# KiCad board dya-panelized.kicad_pcb
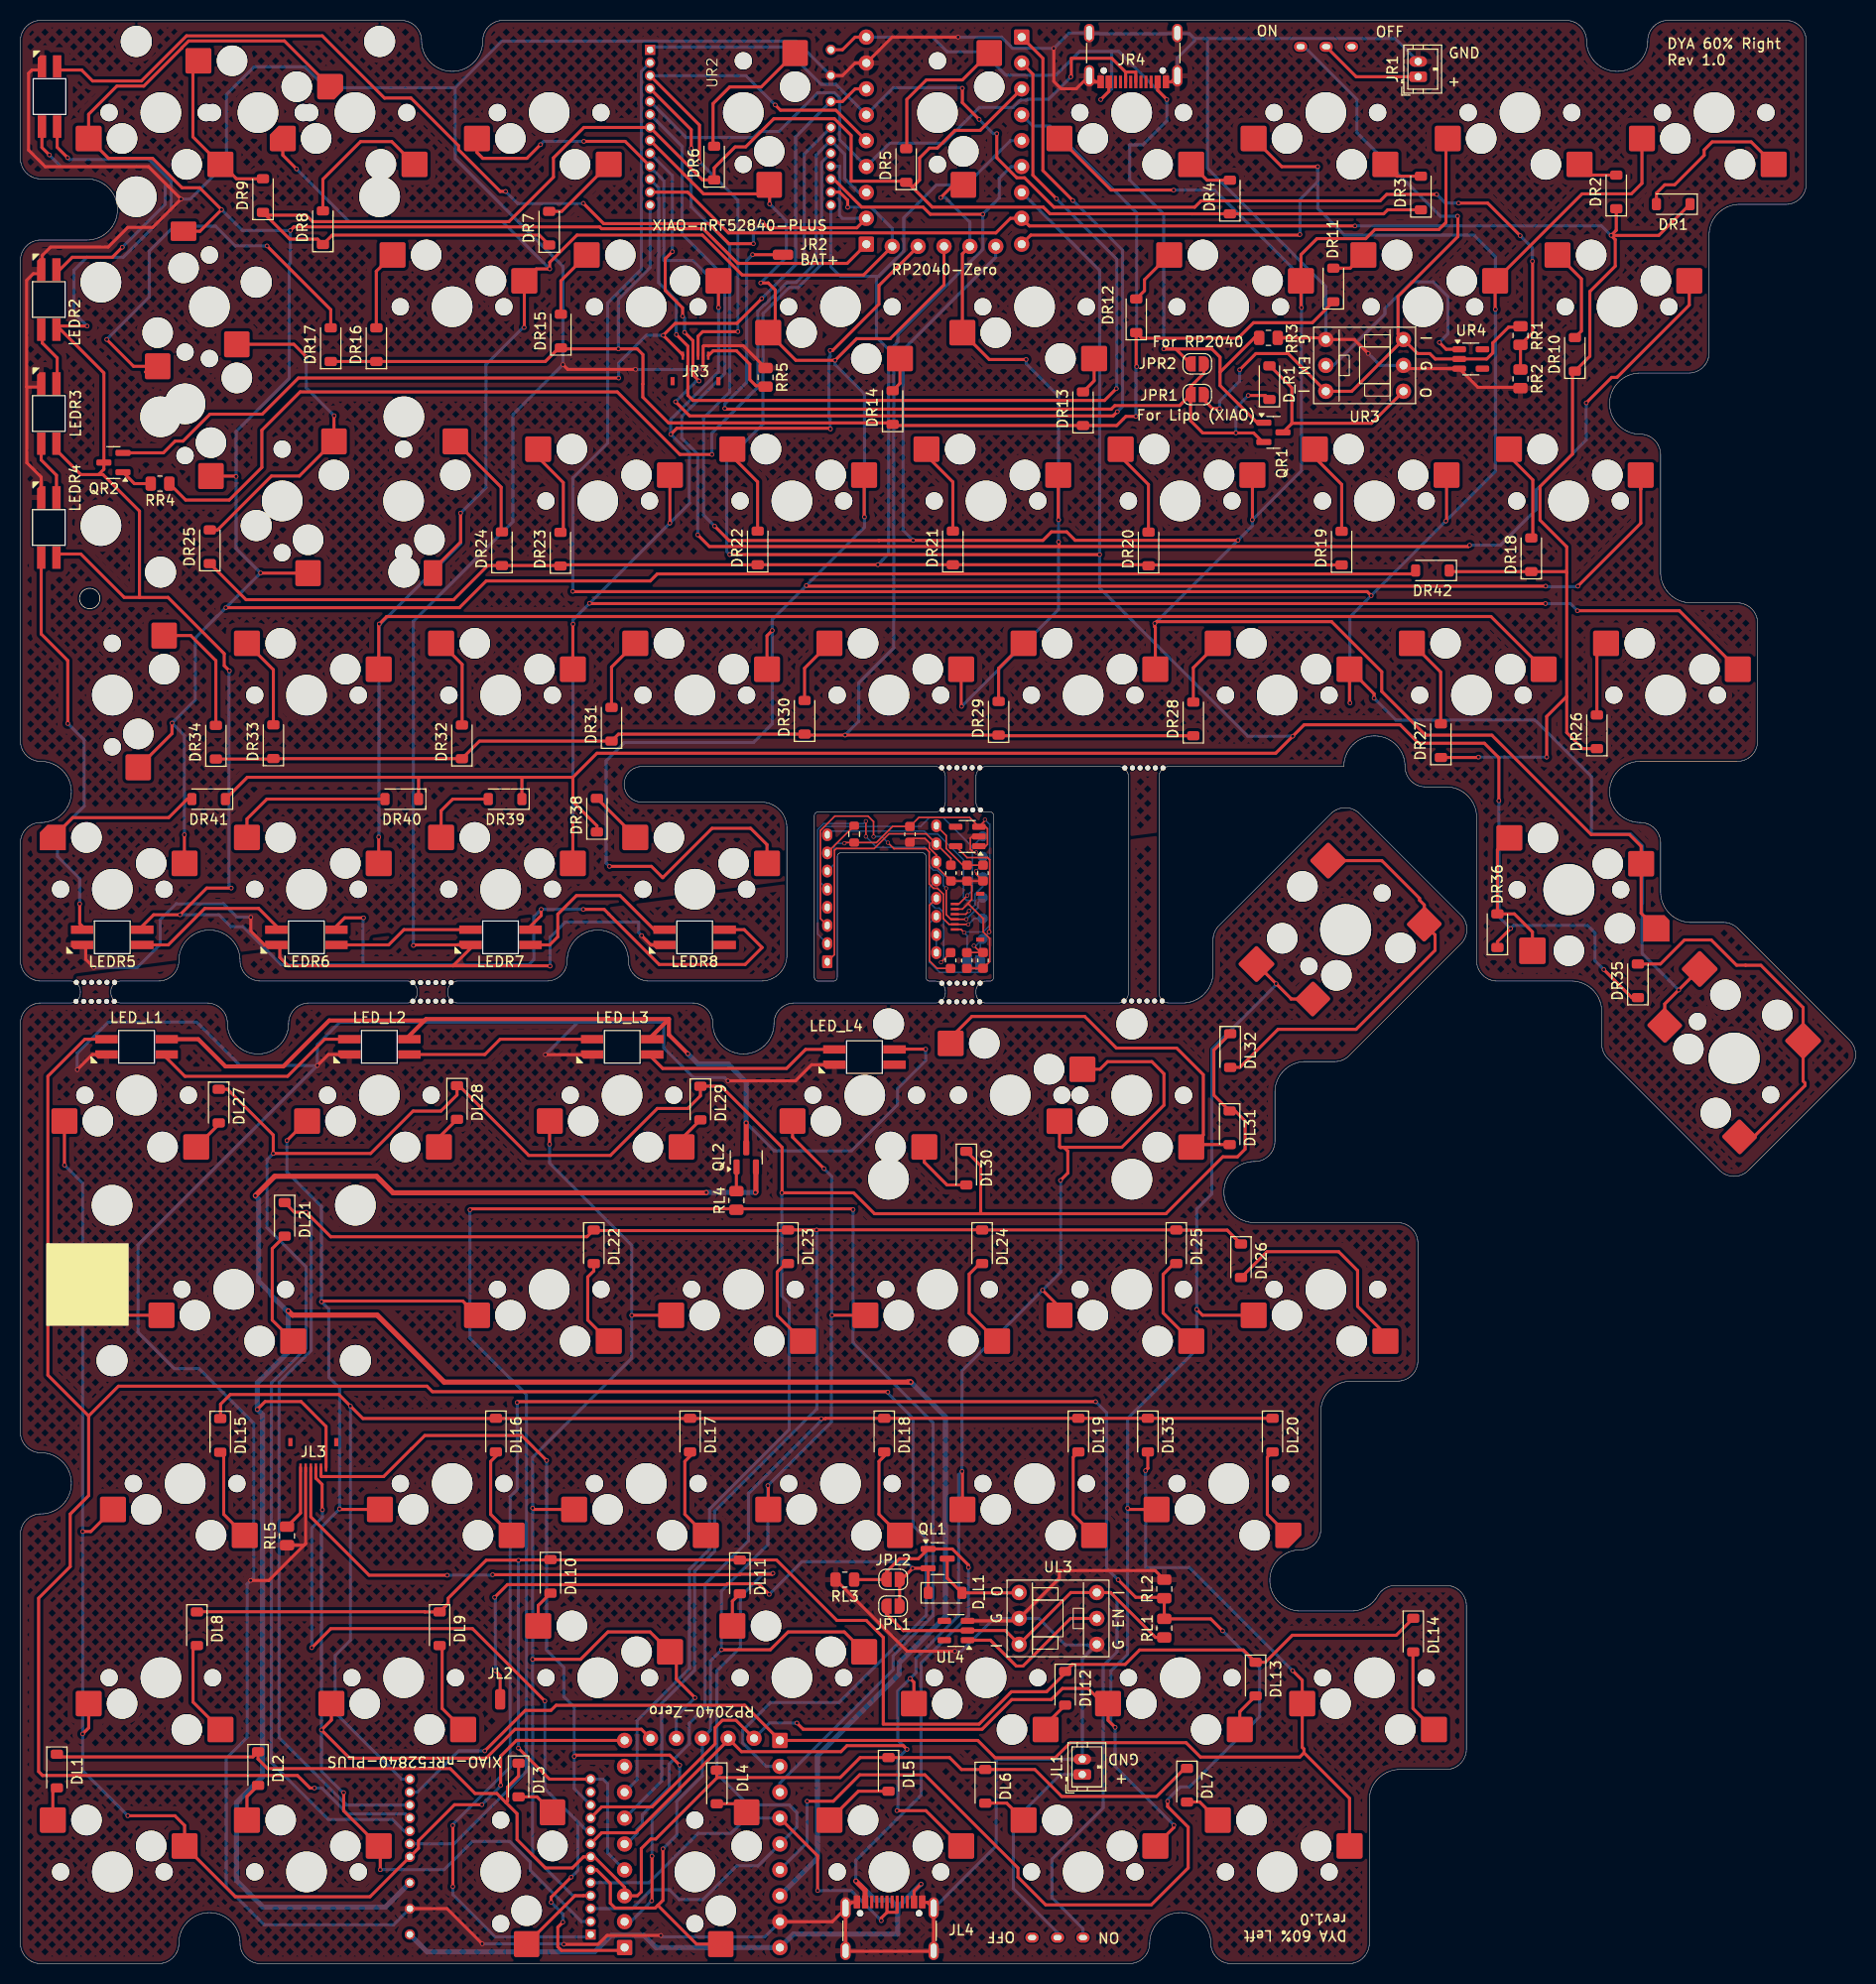
[diagram p0: board, top side]
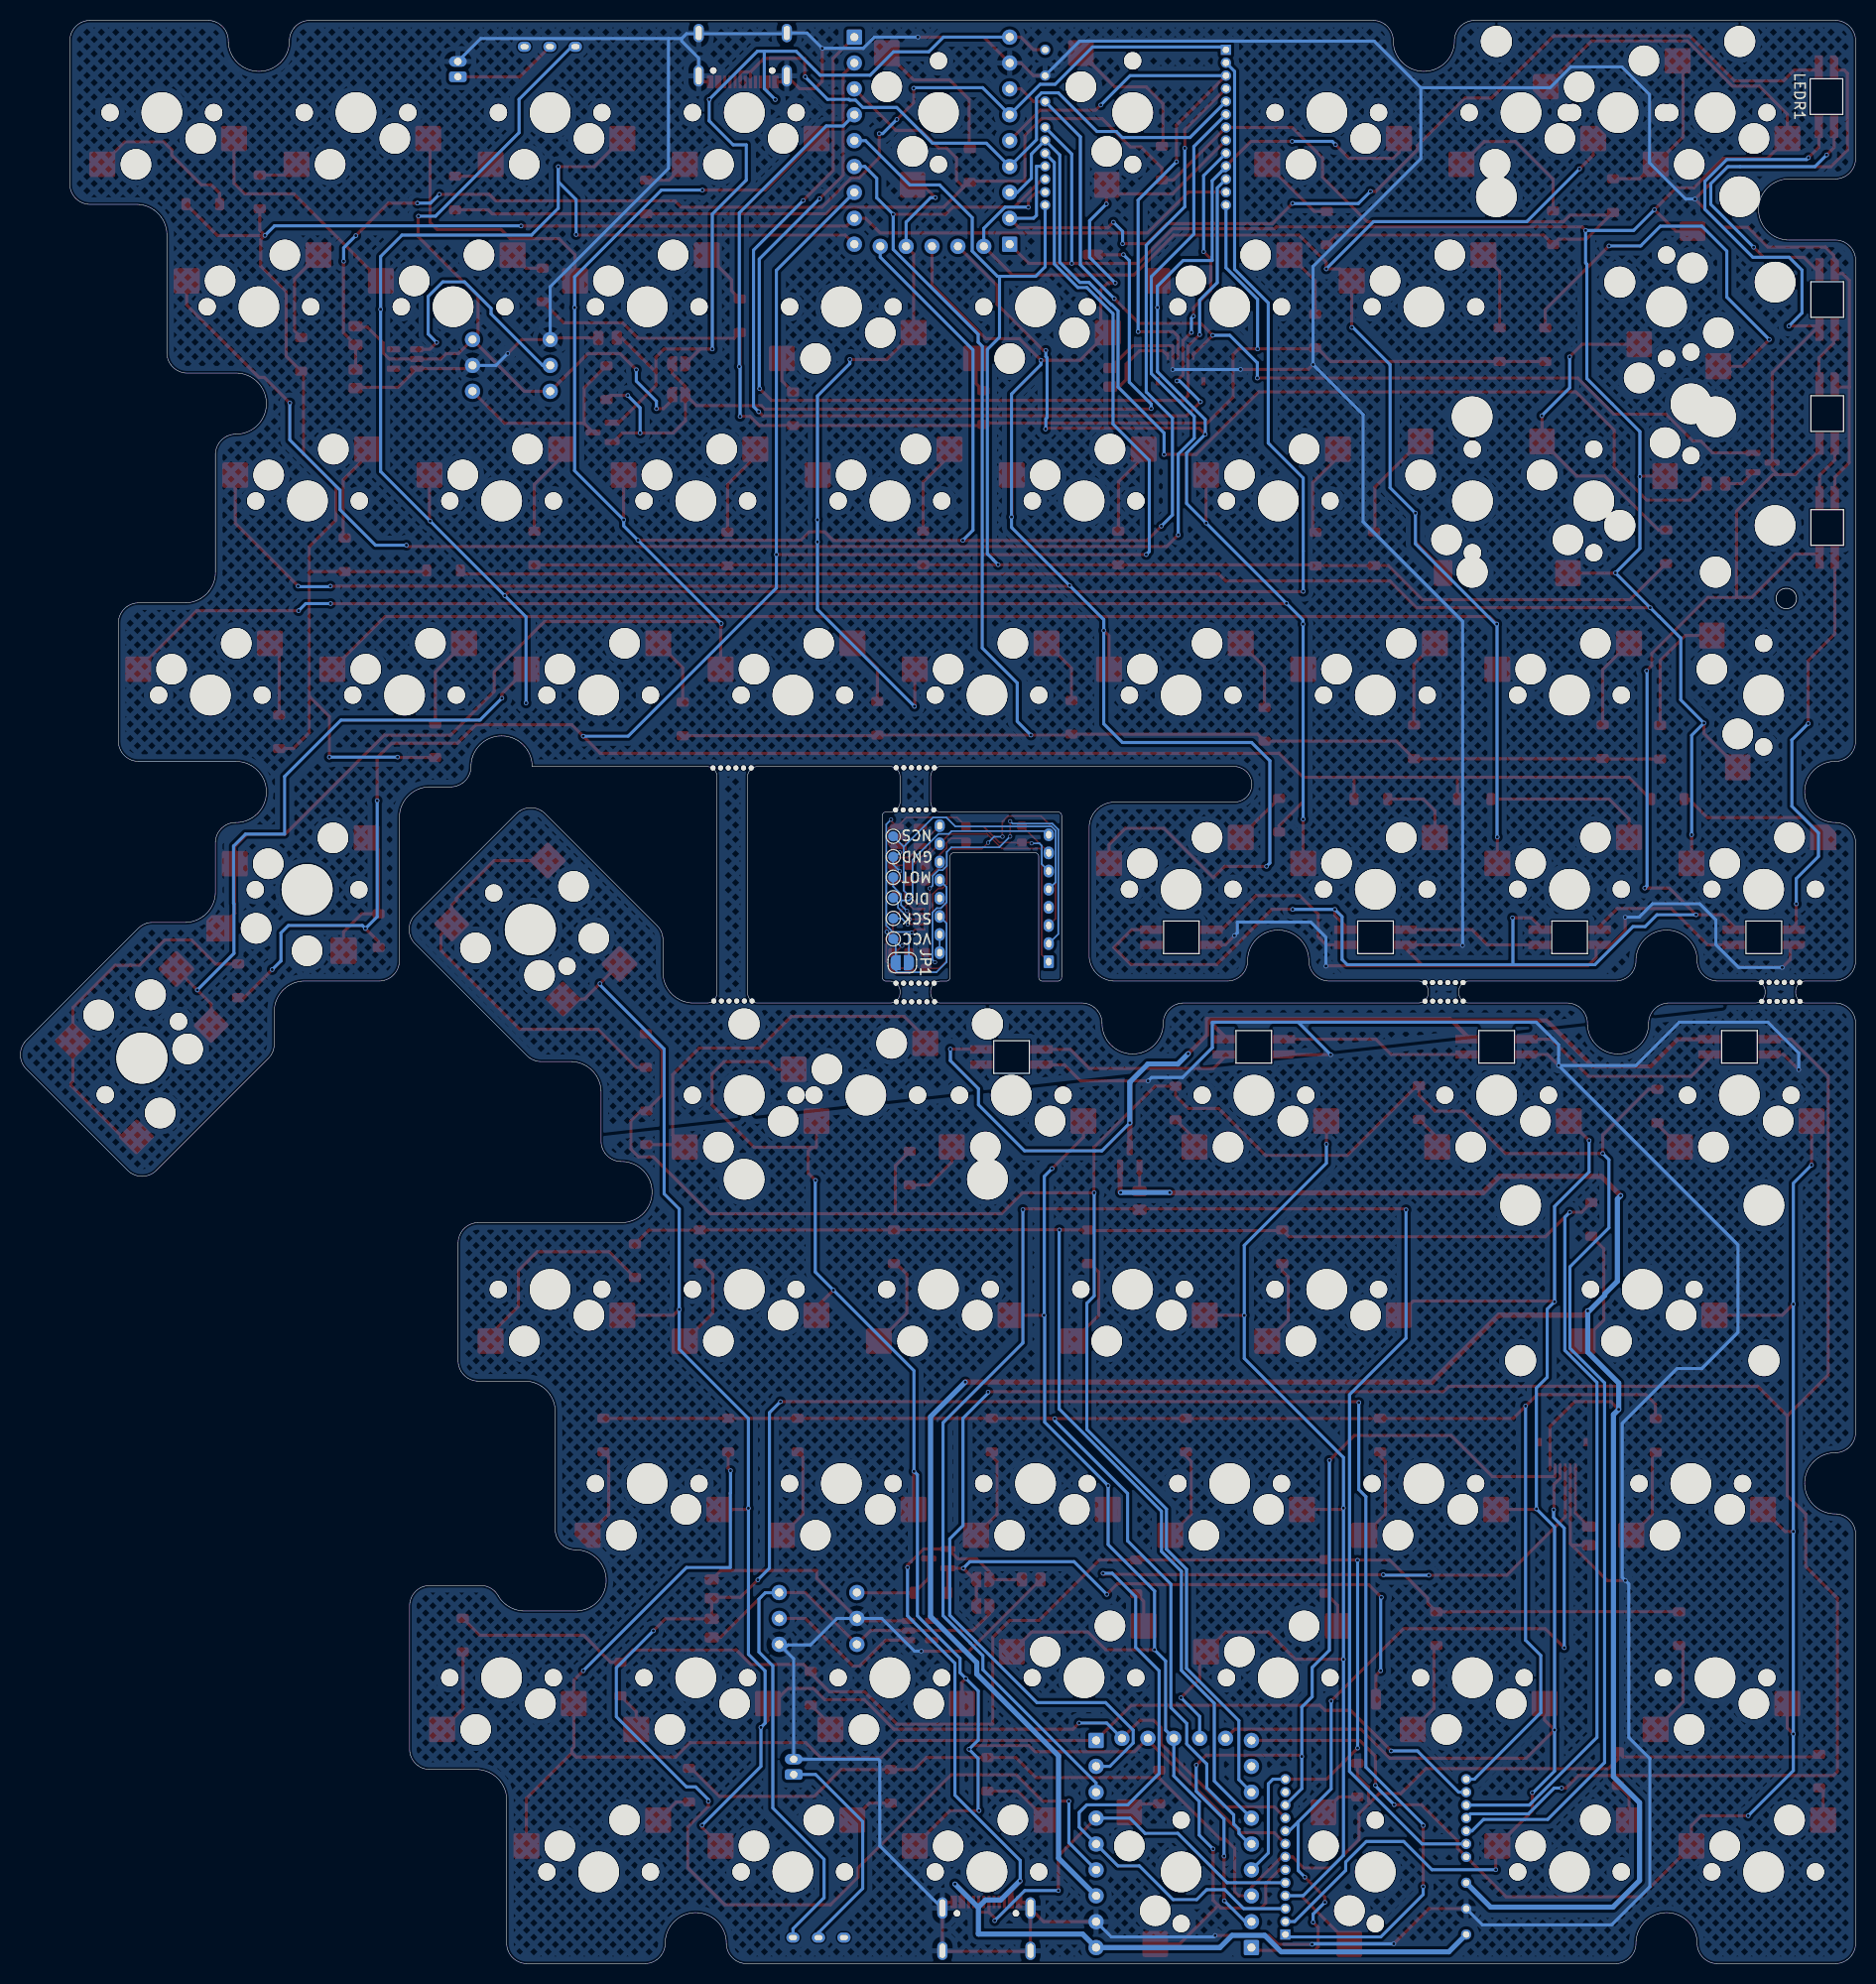
[diagram p1: board, bottom side, seen from below]

Outline 180.06 x 190.66 mm; copper layers: Top, Bottom. Coordinates in mm from the lower left corner of the outline.
Outline path: outline of 128 points within 5.8,132.93 7.8,134.93 closed ; outline of 202 points within 93.76,94.25 108.71,117.45 closed ; outline of 386 points within 8.88,89.25 38.93,101.41 closed ; outline of 595 points within 41.93,89.25 90.75,117.45 closed ; outline of 2548 points within 0,0 180.06,190.66 closed
Stack: Top 0.035mm / dielectric 1.51mm FR4 er 4.5 / Bottom 0.035mm

## Placement (name value [footprint] x y rotation side)
C1  100nF  [C_0603_1608Metric]  87.28 110.79 270 top
C3  10uF X7R  [C_0603_1608Metric]  92.89 106.99 270 top
C4  10nF X7R  [C_0603_1608Metric]  94.45 106.99 270 top
C5  100nF X7R  [C_0603_1608Metric]  91.27 98.42 270 top
C6  10nF  [C_0603_1608Metric]  91.3 106.99 270 top
C7  10uF  [C_0603_1608Metric]  94.45 98.43 270 top
C8  100nF  [C_0603_1608Metric]  92.86 98.42 270 top
D_L1  D  [D_SOD-123]  90.73 36.38 0 top
D_R1  D  [D_SOD-123]  122.55 155.11 90 top
DL1  D  [D_SOD-123]  3.58 18.9 270 top
DL2  D  [D_SOD-123]  23.32 19.14 270 top
DL3  D  [D_SOD-123]  48.88 18.01 270 top
DL4  D  [D_SOD-123]  68.33 17.34 270 top
DL5  D  [D_SOD-123]  85.18 18.57 270 top
DL6  D  [D_SOD-123]  94.67 17.4 270 top
DL7  D  [D_SOD-123]  114.46 17.51 270 top
DL8  D  [D_SOD-123]  17.32 32.86 270 top
DL9  D  [D_SOD-123]  41.13 32.86 270 top
DL10  D  [D_SOD-123]  52.01 37.99 270 top
DL11  D  [D_SOD-123]  70.59 37.94 270 top
DL12  D  [D_SOD-123]  102.51 27.02 270 top
DL13  D  [D_SOD-123]  121.19 27.92 270 top
DL14  D  [D_SOD-123]  136.66 32.24 270 top
DL15  D  [D_SOD-123]  19.61 51.82 270 top
DL16  D  [D_SOD-123]  46.65 51.85 270 top
DL17  D  [D_SOD-123]  65.7 51.85 270 top
DL18  D  [D_SOD-123]  84.75 51.85 270 top
DL19  D  [D_SOD-123]  103.8 51.85 270 top
DL20  D  [D_SOD-123]  122.85 51.85 270 top
DL21  D  [D_SOD-123]  25.93 73.02 270 top
DL22  D  [D_SOD-123]  56.26 70.33 270 top
DL23  D  [D_SOD-123]  75.31 70.33 270 top
DL24  D  [D_SOD-123]  94.36 70.33 270 top
DL25  D  [D_SOD-123]  113.41 70.33 270 top
DL26  D  [D_SOD-123]  119.76 68.96 270 top
DL27  D  [D_SOD-123]  19.46 84.14 270 top
DL28  D  [D_SOD-123]  42.84 84.49 270 top
DL29  D  [D_SOD-123]  66.72 84.44 270 top
DL30  D  [D_SOD-123]  92.81 78.05 270 top
DL31  D  [D_SOD-123]  118.65 82.01 270 top
DL32  D  [D_SOD-123]  118.7 89.58 270 top
DL33  D  [D_SOD-123]  110.62 51.85 270 top
DR1  D  [D_SOD-123]  162.17 172.63 180 top
DR2  D  [D_SOD-123]  156.58 173.83 90 top
DR3  D  [D_SOD-123]  137.41 173.72 90 top
DR4  D  [D_SOD-123]  118.67 173.33 90 top
DR5  D  [D_SOD-123]  86.91 176.42 90 top
DR6  D  [D_SOD-123]  68.07 176.66 90 top
DR7  D  [D_SOD-123]  51.88 170.27 90 top
DR8  D  [D_SOD-123]  29.68 170.32 90 top
DR9  D  [D_SOD-123]  23.8 173.47 90 top
DR10  D  [D_SOD-123]  152.52 157.89 90 top
DR11  D  [D_SOD-123]  128.82 164.7 90 top
DR12  D  [D_SOD-123]  109.48 161.68 90 top
DR13  D  [D_SOD-123]  104.26 152.56 90 top
DR14  D  [D_SOD-123]  85.58 152.67 90 top
DR15  D  [D_SOD-123]  53.03 160.18 90 top
DR16  D  [D_SOD-123]  34.93 158.84 90 top
DR17  D  [D_SOD-123]  30.45 158.84 90 top
DR18  D  [D_SOD-123]  148.24 138.23 90 top
DR19  D  [D_SOD-123]  129.63 138.88 90 top
DR20  D  [D_SOD-123]  110.69 138.8 90 top
DR21  D  [D_SOD-123]  91.49 138.9 90 top
DR22  D  [D_SOD-123]  72.34 138.9 90 top
DR23  D  [D_SOD-123]  52.99 138.78 90 top
DR24  D  [D_SOD-123]  47.25 138.82 90 top
DR25  D  [D_SOD-123]  18.59 139.02 90 top
DR26  D  [D_SOD-123]  154.68 120.86 90 top
DR27  D  [D_SOD-123]  139.37 119.99 90 top
DR28  D  [D_SOD-123]  115.08 122.12 90 top
DR29  D  [D_SOD-123]  95.98 122.19 90 top
DR30  D  [D_SOD-123]  76.94 122.28 90 top
DR31  D  [D_SOD-123]  58 121.6 90 top
DR32  D  [D_SOD-123]  43.32 119.87 90 top
DR33  D  [D_SOD-123]  24.82 119.89 90 top
DR34  D  [D_SOD-123]  19.18 119.84 90 top
DR35  D  [D_SOD-123]  158.7 96.43 90 top
DR36  D  [D_SOD-123]  144.92 101.35 90 top
DR38  D  [D_SOD-123]  56.57 112.68 90 top
DR39  D  [D_SOD-123]  47.56 114.26 180 top
DR40  D  [D_SOD-123]  37.42 114.26 180 top
DR41  D  [D_SOD-123]  18.47 114.26 180 top
DR42  D  [D_SOD-123]  138.54 136.69 180 top
J1  Conn_01x06_Pin  [JUSHUO-AFH34-S06FIA-1H]  91.68 102.71 90 top
J2  Conn_01x01_Pin  [TestPoint_Pad_D1.0mm]  94.43 108.59 0 bottom
J3  Conn_01x01_Pin  [TestPoint_Pad_D1.0mm]  94.42 100.53 0 bottom
J4  Conn_01x01_Pin  [TestPoint_Pad_D1.0mm]  94.42 102.54 0 bottom
J5  Conn_01x01_Pin  [TestPoint_Pad_D1.0mm]  94.43 104.57 0 bottom
J6  Conn_01x01_Pin  [TestPoint_Pad_D1.0mm]  94.43 106.58 0 bottom
J7  Conn_01x01_Pin  [TestPoint_Pad_D1.0mm]  94.43 110.6 0 bottom
JL1  Conn_01x02_Pin  [JST_ZH_B2B-ZR_1x02_P1.50mm_Vertical]  104.19 18.56 90 top
JL2  Conn_01x01_Pin  [SolderWirePad_1x01_SMD_1x2mm]  47.07 25.93 0 top
JL3  Conn_01x04  [JUSHUO-AFH34-S06FIA-1H]  28.74 48.67 180 top
JL4  USB_C_Receptacle_USB2.0_14P  [USB_C_Receptacle_G-Switch_GT-USB-7010ASV]  85.28 2.33 0 top
JP1  Jumper_2_Bridged  [SolderJumper-2_P1.3mm_Open_RoundedPad1.0x1.5mm]  93.54 98.2 0 bottom
JPL1  Jumper_2_Open  [SolderJumper-2_P1.3mm_Open_RoundedPad1.0x1.5mm]  85.62 35.08 180 top
JPL2  Jumper_2_Open  [SolderJumper-2_P1.3mm_Open_RoundedPad1.0x1.5mm]  85.63 37.7 0 top
JPR1  Jumper_2_Open  [SolderJumper-2_P1.3mm_Open_RoundedPad1.0x1.5mm]  115.47 153.95 0 top
JPR2  Jumper_2_Open  [SolderJumper-2_P1.3mm_Open_RoundedPad1.0x1.5mm]  115.47 156.96 0 top
JR1  Conn_01x02_Pin  [JST_ZH_B2B-ZR_1x02_P1.50mm_Vertical]  137.14 185.13 90 top
JR2  Conn_01x01_Pin  [SolderWirePad_1x01_SMD_1x2mm]  74.82 167.67 90 top
JR3  Conn_01x04  [JUSHUO-AFH34-S06FIA-1H]  66.24 157.76 0 top
JR4  USB_C_Receptacle_USB2.0_14P  [USB_C_Receptacle_G-Switch_GT-USB-7010ASV]  109.19 188.34 180 top
LED_L1  SK6812  [LED_SK6812MINI-E_BL]  11.4 89.95 180 top
LED_L2  SK6812  [LED_SK6812MINI-E_BL]  35.22 89.95 180 top
LED_L3  SK6812  [LED_SK6812MINI-E_BL]  59.05 89.95 180 top
LED_L4  SK6812  [LED_SK6812MINI-E_BL]  82.81 88.95 180 top
LEDR1  SK6812MINI  [LED_SK6812MINI-E_BL]  2.86 183.18 90 top
LEDR2  SK6812MINI  [LED_SK6812MINI-E_BL]  2.79 163.27 90 top
LEDR3  SK6812MINI  [LED_SK6812MINI-E_BL]  2.79 152.08 90 top
LEDR4  SK6812MINI  [LED_SK6812MINI-E_BL]  2.79 140.9 90 top
LEDR5  SK6812MINI  [LED_SK6812MINI-E_BL]  9.01 100.7 180 top
LEDR6  SK6812MINI  [LED_SK6812MINI-E_BL]  28.06 100.7 180 top
LEDR7  SK6812MINI  [LED_SK6812MINI-E_BL]  47.11 100.7 180 top
LEDR8  SK6812MINI  [LED_SK6812MINI-E_BL]  66.16 100.7 180 top
QL1  Q_PMOS_GSD  [SOT-23]  90 39.74 0 top
QL2  Q_PMOS_GSD  [SOT-23]  71.22 79.11 90 top
QR1  Q_PMOS_GSD  [SOT-23]  122.94 150.24 0 top
QR2  Q_PMOS_GSD  [SOT-23]  9.13 147.27 180 top
R1  51kΩ  [R_0603_1608Metric]  81.81 110.81 270 top
Ref**  Val**  [Mouse_Bite_Hole]  7.31 94.41 0 top
Ref**#2  Val**  [Mouse_Bite_Hole]  110.13 94.45 0 top
Ref**#3  Val**  [Mouse_Bite_Hole]  40.35 94.43 0 top
Ref**#4  Val**  [Mouse_Bite_Hole]  7.34 96.28 0 top
Ref**#5  Val**  [Mouse_Bite_Hole]  40.36 96.26 0 top
Ref**#6  Val**  [Mouse_Bite_Hole]  92.26 96.19 0 top
Ref**#7  Val**  [Mouse_Bite_Hole]  92.24 117.34 0 top
Ref**#8  Val**  [Mouse_Bite_Hole]  110.21 117.32 0 top
Ref**#9  Val**  [Mouse_Bite_Hole]  92.3 113.19 0 top
Ref**#10  Val**  [Mouse_Bite_Hole]  92.22 94.37 0 top
RL1  1MΩ  [R_0805_2012Metric]  112.23 32.92 90 top
RL2  470kΩ  [R_0805_2012Metric]  112.23 36.76 90 top
RL3  100kΩ  [R_0805_2012Metric]  80.89 37.68 180 top
RL4  100Ω  [R_0805_2012Metric]  70.25 74.88 90 top
RL5  10kΩ  [R_0805_2012Metric]  26.16 41.96 90 top
RR1  1MΩ  [R_0805_2012Metric]  147.18 159.74 270 top
RR2  470kΩ  [R_0805_2012Metric]  147.18 155.49 270 top
RR3  100kΩ  [R_0805_2012Metric]  122.45 159.51 0 top
RR4  100Ω  [R_0805_2012Metric]  13.7 145.21 180 top
RR5  10kΩ  [R_0805_2012Metric]  73.11 155.64 270 top
SW_BATL1  SW_SPDT  [TGSW_MSK-12D19]  101.76 1.51 180 top
SW_BATR1  SW_SPDT  [TGSW_MSK-12D19]  128.11 189.13 0 top
SWL1  SW_Push_45deg  [MX-Hotswap-1U]  9.03 9 0 top
SWL2  SW_Push_45deg  [MX-Hotswap-1U]  28.08 9 0 top
SWL3  SW_Push_45deg  [MX-Hotswap-1U]  47.13 9 270 top
SWL4  SW_Push_45deg  [MX-Hotswap-1U]  66.18 9 270 top
SWL5  SW_Push_45deg  [MX-Hotswap-1U]  85.23 9 0 top
SWL6  SW_Push_45deg  [MX-Hotswap-1U]  104.28 9 0 top
SWL7  SW_Push_45deg  [MX-Hotswap-1U]  123.33 9 0 top
SWL8  SW_Push_45deg  [MX-Hotswap-1.5U]  13.79 28.05 180 top
SWL9  SW_Push_45deg  [MX-Hotswap-1U]  37.6 28.05 180 top
SWL10  SW_Push_45deg  [MX-Hotswap-1U]  56.65 28.05 0 top
SWL11  SW_Push_45deg  [MX-Hotswap-1U]  75.7 28.05 0 top
SWL12  SW_Push_45deg  [MX-Hotswap-1U]  94.75 28.05 180 top
SWL13  SW_Push_45deg  [MX-Hotswap-1U]  113.8 28.05 180 top
SWL14  SW_Push_45deg  [MX-Hotswap-1U]  132.85 28.05 180 top
SWL15  SW_Push_45deg  [MX-Hotswap-1.75U]  16.17 47.1 180 top
SWL16  SW_Push_45deg  [MX-Hotswap-1U]  42.36 47.1 180 top
SWL17  SW_Push_45deg  [MX-Hotswap-1U]  61.41 47.1 180 top
SWL18  SW_Push_45deg  [MX-Hotswap-1U]  80.46 47.1 180 top
SWL19  SW_Push_45deg  [MX-Hotswap-1U]  99.51 47.1 180 top
SWL20  SW_Push_45deg  [MX-Hotswap-1U]  118.56 47.1 180 top
SWL21  SW_Push_45deg  [MX-Hotswap-2.25U]  20.93 66.15 180 top
SWL22  SW_Push_45deg  [MX-Hotswap-1U]  51.89 66.15 180 top
SWL23  SW_Push_45deg  [MX-Hotswap-1U]  70.94 66.15 180 top
SWL24  SW_Push_45deg  [MX-Hotswap-1U]  89.99 66.15 180 top
SWL25  SW_Push_45deg  [MX-Hotswap-1U]  109.04 66.15 180 top
SWL26  SW_Push_45deg  [MX-Hotswap-1U]  128.09 66.15 180 top
SWL27  SW_Push_45deg  [MX-Hotswap-1.25U]  11.41 85.2 180 top
SWL28  SW_Push_45deg  [MX-Hotswap-1.25U]  35.22 85.2 180 top
SWL29  SW_Push_45deg  [MX-Hotswap-1.25U]  59.03 85.2 180 top
SWL30  SW_Push_45deg  [MX-Hotswap-1.25U]  82.84 85.2 180 top
SWL31  SW_Push_45deg  [MX-Hotswap-1U]  109.04 85.2 180 top
SWL31-hole1  SW_Push_45deg  [MX-Hotswap-2.75U-ReversedStabilizers]  97.12 85.21 180 top
SWL31-hole2  SW_Push_45deg  [MX-Hotswap-1U]  97.12 85.21 0 top
SWL32  SW_Push_45deg  [MX-KailhChocV2-Hybrid-Hotswap-1U]  129.89 101.45 225 top
SWR1  SW_Push_45deg  [MX-Hotswap-1U]  166.18 181.61 180 top
SWR2  SW_Push_45deg  [MX-Hotswap-1U]  147.13 181.61 180 top
SWR3  SW_Push_45deg  [MX-Hotswap-1U]  128.08 181.61 180 top
SWR4  SW_Push_45deg  [MX-Hotswap-1U]  109.03 181.61 180 top
SWR5  SW_Push_45deg  [MX-Hotswap-1U]  89.98 181.61 270 top
SWR6  SW_Push_45deg  [MX-Hotswap-1U]  70.93 181.61 270 top
SWR7  SW_Push_45deg  [MX-Hotswap-1U]  51.88 181.61 180 top
SWR8  SW_Push_45deg  [MX-Hotswap-1U]  32.83 181.61 180 top
SWR9  SW_Push_45deg  [MX-Hotswap-1U]  13.78 181.61 180 top
SWR9-2  SW_Push_45deg  [MX-Hotswap-2U]  23.31 181.61 0 top
SWR10  SW_Push_45deg  [MX-Hotswap-1U]  156.66 162.56 0 top
SWR11  SW_Push_45deg  [MX-Hotswap-1U]  137.61 162.56 0 top
SWR12  SW_Push_45deg  [MX-Hotswap-1U]  118.56 162.56 0 top
SWR13  SW_Push_45deg  [MX-Hotswap-1U]  99.51 162.56 180 top
SWR14  SW_Push_45deg  [MX-Hotswap-1U]  80.46 162.56 180 top
SWR15  SW_Push_45deg  [MX-Hotswap-1U]  61.41 162.56 0 top
SWR16  SW_Push_45deg  [MX-Hotswap-1U]  42.36 162.56 0 top
SWR17  SW_Push_45deg  [MX-Hotswap-1U#3]  18.55 162.56 90 top
SWR18  SW_Push_45deg  [MX-Hotswap-1U]  151.9 143.51 0 top
SWR19  SW_Push_45deg  [MX-Hotswap-1U]  132.84 143.51 0 top
SWR20  SW_Push_45deg  [MX-Hotswap-1U]  113.8 143.51 0 top
SWR21  SW_Push_45deg  [MX-Hotswap-1U]  94.75 143.51 0 top
SWR22  SW_Push_45deg  [MX-Hotswap-1U]  75.7 143.51 0 top
SWR23  SW_Push_45deg  [MX-Hotswap-1U]  56.65 143.51 0 top
SWR24  SW_Push_45deg  [MX-Hotswap-1U#2]  37.6 143.51 270 top
SWR25  SW_Push_45deg  [MX-Hotswap-2.25U-ReversedStabilizers]  25.69 143.51 0 top
SWR25-2  SW_Push_45deg  [MX-Hotswap-ISO-Rotated]  16.16 153.03 270 top
SWR26  SW_Push_45deg  [MX-Hotswap-1U]  161.42 124.46 0 top
SWR27  SW_Push_45deg  [MX-Hotswap-1U]  142.37 124.46 0 top
SWR28  SW_Push_45deg  [MX-Hotswap-1U]  123.32 124.46 0 top
SWR29  SW_Push_45deg  [MX-Hotswap-1U]  104.27 124.46 0 top
SWR30  SW_Push_45deg  [MX-Hotswap-1U]  85.22 124.46 0 top
SWR31  SW_Push_45deg  [MX-Hotswap-1U]  66.17 124.46 0 top
SWR32  SW_Push_45deg  [MX-Hotswap-1U]  47.12 124.46 0 top
SWR33  SW_Push_45deg  [MX-Hotswap-1U]  28.07 124.46 0 top
SWR34  SW_Push_45deg  [MX-Hotswap-1U]  9.02 124.46 270 top
SWR35  SW_Push_45deg  [MX-KailhChocV2-Hybrid-Hotswap-1U]  168.14 88.97 135 top
SWR36  SW_Push_45deg  [MX-KailhChocV2-Hybrid-Hotswap-1U]  152.03 105.28 0 top
SWR38  SW_Push_45deg  [MX-Hotswap-1U]  66.17 105.41 0 top
SWR39  SW_Push_45deg  [MX-Hotswap-1U]  47.12 105.41 0 top
SWR40  SW_Push_45deg  [MX-Hotswap-1U]  28.07 105.41 0 top
SWR41  SW_Push_45deg  [MX-Hotswap-1U]  9.02 105.41 0 top
U1  PMW3610  [PMW3610DM-SUDU 16Pin]  84.52 104.46 270 bottom
U2  TLV70018_SOT23-5  [SOT-23-5]  92.91 110.58 180 top
UL1  -  [RP2040-Zero]  77.06 24.44 180 top
UL2  XIAO-nRF52840-PLUS  [XIAO_nRF52840_plus]  47.06 10.49 270 top
UL3  -  [AE-XCL103]  101.8 33.87 270 bottom
UL4  S1009  [SOT-23-5]  91.79 32.68 180 top
UR1  -  [RP2040-Zero]  80.46 166.16 0 top
UR2  XIAO-nRF52840-PLUS  [XIAO_nRF52840_plus]  70.67 180.15 90 top
UR3  -  [AE-XCL103]  131.89 156.81 90 bottom
UR4  S1009  [SOT-23-5]  142.31 157.44 0 top

## Library data of the parts
C1 C5 C8 = -: Description: Unpolarized capacitor; LCSC: C14663; ki_fp_filters: C_*
C3 C7 = -: Description: Unpolarized capacitor; LCSC: C19702; ki_fp_filters: C_*
C4 C6 = -: Description: Unpolarized capacitor; LCSC: C57112; ki_fp_filters: C_*
D_L1 D_R1 DL1-DL33 DR1-DR36 DR38-DR42 = -: Description: Diode; Sim.Pins: 1=K 2=A; LCSC: C81598; ki_fp_filters: TO-???* *_Diode_* *SingleDiode* D_*
J1 = -: Description: Generic connector, single row, 01x06, script generated; LCSC: C5139821; ki_fp_filters: Connector*:*_1x??_*
J2-J7 JL2 JR2 = -: Description: Generic connector, single row, 01x01, script generated; ki_fp_filters: Connector*:*_1x??_*
JL1 JR1 = -: Description: Generic connector, single row, 01x02, script generated; ki_fp_filters: Connector*:*_1x??_*
JL3 JR3 = -: Description: Generic connector, single row, 01x06, script generated (kicad-library-utils/schlib/autogen/connector/); LCSC: C5139821; ki_fp_filters: Connector*:*_1x??_*
JL4 JR4 = -: Datasheet: https://www.usb.org/sites/default/files/documents/usb_type-c.zip; Description: USB 2.0-only 14P Type-C Receptacle connector; LCSC: C2927038; ki_fp_filters: USB*C*Receptacle*
JP1 = -: Description: Jumper, 2-pole, closed/bridged; ki_fp_filters: Jumper* TestPoint*2Pads* TestPoint*Bridge*
JPL1 JPL2 JPR1 JPR2 = -: Description: Jumper, 2-pole, open; ki_fp_filters: Jumper* TestPoint*2Pads* TestPoint*Bridge*
LED_L1-LED_L4 LEDR1-LEDR8 = -: Datasheet: https://cdn-shop.adafruit.com/product-files/2686/SK6812MINI_REV.01-1-2.pdf; Description: RGB LED with integrated controller; LCSC: C5149201; ki_fp_filters: LED*SK6812MINI*PLCC*3.5x3.5mm*P1.75mm*
QL1 QL2 QR1 QR2 = -: Description: P-MOSFET transistor, gate/source/drain; LCSC: C15127
R1 = -: Description: Resistor; LCSC: C23196; ki_fp_filters: R_*
RL1 RR1 = -: Description: Resistor; LCSC: C17514; ki_fp_filters: R_*
RL2 RR2 = -: Description: Resistor; LCSC: C17709; ki_fp_filters: R_*
RL3 RR3 = -: Description: Resistor; LCSC: C149504; ki_fp_filters: R_*
RL4 RR4 = -: Description: Resistor; LCSC: C17408; ki_fp_filters: R_*
RL5 RR5 = -: Description: Resistor; LCSC: C17414; ki_fp_filters: R_*
SW_BATL1 SW_BATR1 = -: Description: Switch, single pole double throw; Field5: MSK-12D19
SWL1-SWL31 SWL31-hole2 SWL32 = -: Description: Push button switch, normally open, two pins, 45° tilted; LCSC: C41430893
SWL31-hole1 SWR1-SWR9 SWR9-2 SWR10-SWR25 SWR25-2 SWR26-SWR36 SWR38-SWR41 = -: Description: Push button switch, normally open, two pins, 45° tilted
U1 = -: Description: Optical mouse sensor; Field5: Optical Center
U2 = -: Datasheet: http://www.ti.com/lit/ds/symlink/tlv700.pdf; Description: 200mA Low Dropout Voltage Regulator, Fixed Output 1.8V, SOT-23-5; LCSC: C79924; ki_fp_filters: SOT?23*
UL3 UR3 = -: Description: https://akizukidenshi.com/goodsaffix/AE-XCL103-3V3.pdf; ki_fp_filters: Connector*:*_2x??_*
UL4 UR4 = -: Datasheet: https://www.ablic.com/jp/doc/datasheet/voltage_detector/S1009_J.pdf; Description: Microprocessor Reset (active-low) Circuit, SOT-23; ki_fp_filters: SOT?23*
